# EAGLE board Mk4 Final a Panel score (EAGLE 9.0.1), part 15 of 24
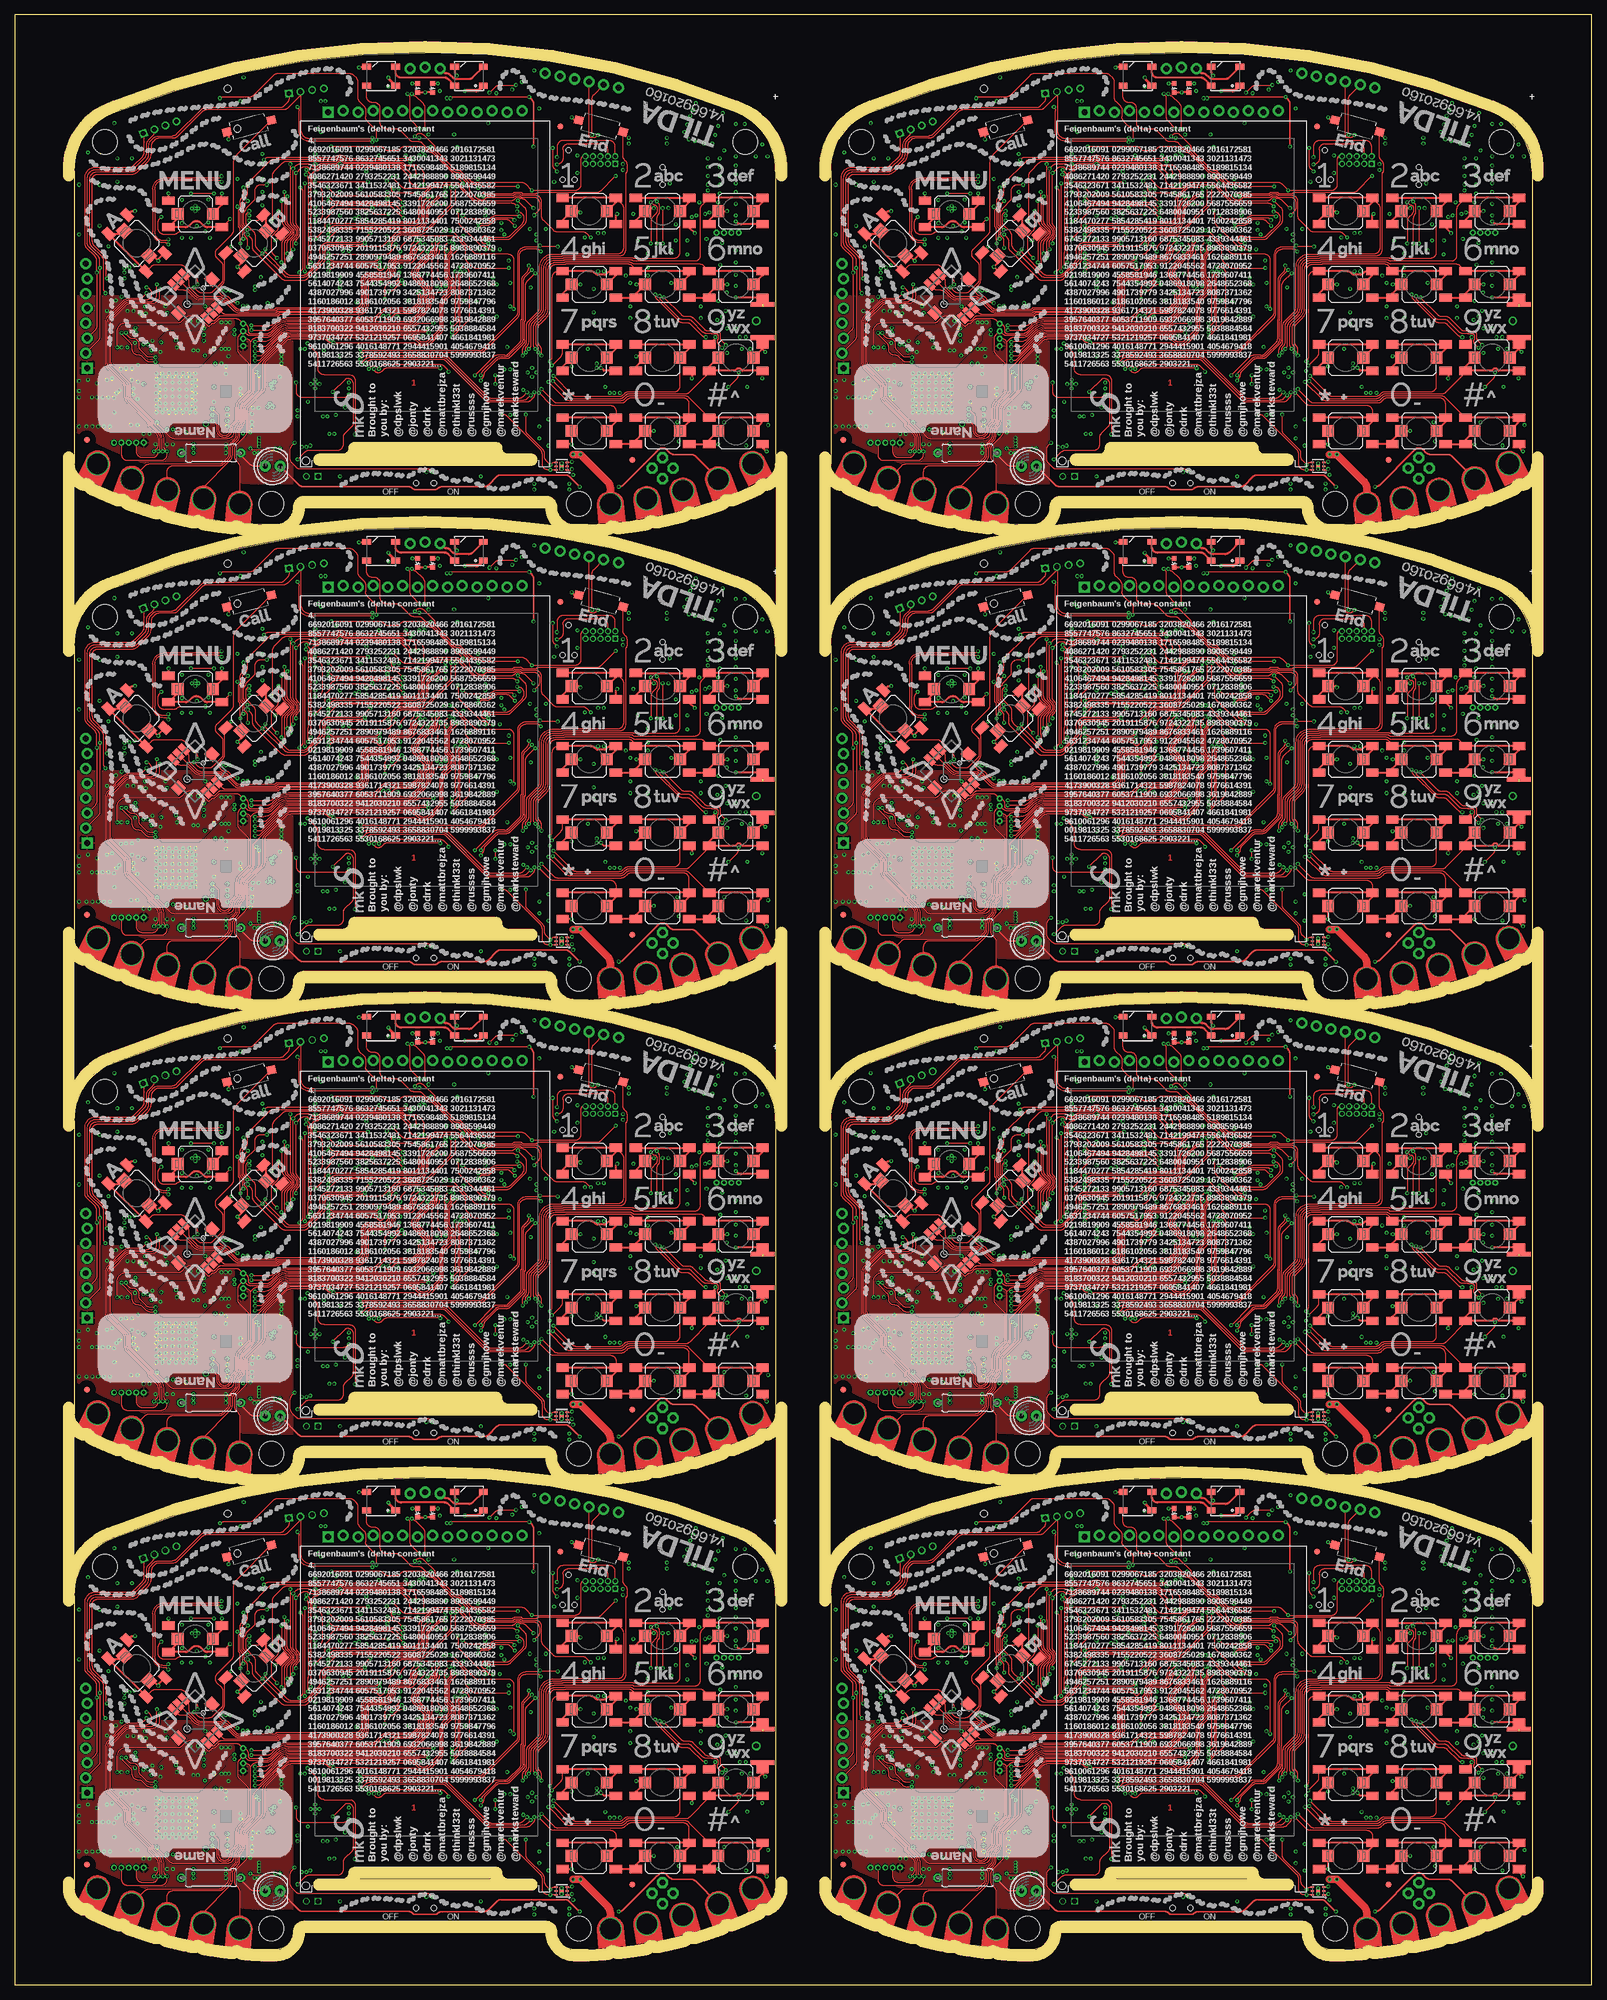
[diagram p0: board, top side]
## Tracks (layer width: path | path; a pad name or v marks a point on that pad's centre or on a via) (continued)
LED5  (via drill 0.3) (continued)
  Bottom 0.15: IC38.86 72.2,148.22 arc90 71.5,148.93 arc-90 71,149.43 71,150.29 arc45 70.71,150.99 70.29,151.41 arc-45 70,152.11 v70,154.5 | R161.2 70.79,160.52 arc-45 70.08,160.22 68.03,160.22 v67.75,160.5
LED5_R
  Top 0.25: R11.1 38.58,17.92 40.21,16.29 arc45 40.91,16 42.5,16 42.58,15.92 42.65,15.92 LED5.A
LED5_R1
  Top 0.25: R95.1 167.58,17.92 169.21,16.29 arc45 169.91,16 171.5,16 171.58,15.92 171.65,15.92 LED11.A
LED5_R2
  Top 0.25: R173.1 38.58,98.92 40.21,97.29 arc45 40.91,97 42.5,97 42.58,96.92 42.65,96.92 LED17.A
LED5_R3
  Top 0.25: R251.1 167.58,98.92 169.21,97.29 arc45 169.91,97 171.5,97 171.58,96.92 171.65,96.92 LED23.A
LED5_R4
  Top 0.25: R329.1 38.58,179.92 40.21,178.29 arc45 40.91,178 42.5,178 42.58,177.92 42.65,177.92 LED29.A
LED5_R5
  Top 0.25: R407.1 167.58,179.92 169.21,178.29 arc45 169.91,178 171.5,178 171.58,177.92 171.65,177.92 LED35.A
LED5_R6
  Top 0.25: R485.1 38.58,260.92 40.21,259.29 arc45 40.91,259 42.5,259 42.58,258.92 42.65,258.92 LED41.A
LED5_R7
  Top 0.25: R563.1 167.58,260.92 169.21,259.29 arc45 169.91,259 171.5,259 171.58,258.92 171.65,258.92 LED47.A
LED6  (via drill 0.3)
  Top 0.15: v69,154.55 67.75,155.8 arc-45 67.46,156.5 67.46,160.04 v67,160.5
  Bottom 0.15: IC38.85 71.8,148.32 arc90 71.5,148.62 71.2,148.62 arc-90 70.7,149.12 70.7,150.14 arc45 70.41,150.84 69.99,151.26 arc-45 69.7,151.96 69.7,153.14 arc45 69.41,153.84 69.21,154.04 arc-45 v69,154.55 | R162.2 67.99,161 67.97,161.03 67.73,161.03 arc45 67.38,160.88 v67,160.5
LED7  (via drill 0.3)
  Top 0.15: v199,154.5 199,158.09 arc45 198.71,158.79 197.38,160.12 197.24,160.12 196.86,160.5 v196.75,160.5
  Bottom 0.15: IC56.86 201.2,148.22 arc90 200.5,148.93 arc-90 200,149.43 200,150.29 arc45 199.71,150.99 199.29,151.41 arc-45 199,152.11 v199,154.5 | R239.2 199.79,160.52 arc-45 199.08,160.22 197.03,160.22 v196.75,160.5
LED8  (via drill 0.3)
  Top 0.15: v198,154.55 196.75,155.8 arc-45 196.46,156.5 196.46,160.04 v196,160.5
  Bottom 0.15: IC56.85 200.8,148.32 arc90 200.5,148.62 200.2,148.62 arc-90 199.7,149.12 199.7,150.14 arc45 199.41,150.84 198.99,151.26 arc-45 198.7,151.96 198.7,153.14 arc45 198.41,153.84 198.21,154.04 arc-45 v198,154.55 | R240.2 196.99,161 196.97,161.03 196.73,161.03 arc45 196.38,160.88 v196,160.5
LED9  (via drill 0.3)
  Top 0.15: v70,235.5 70,239.09 arc45 69.71,239.79 68.38,241.12 68.24,241.12 67.86,241.5 v67.75,241.5
  Bottom 0.15: IC74.86 72.2,229.22 arc90 71.5,229.93 arc-90 71,230.43 71,231.29 arc45 70.71,231.99 70.29,232.41 arc-45 70,233.11 v70,235.5 | R317.2 70.79,241.52 arc-45 70.08,241.22 68.03,241.22 v67.75,241.5
LED10  (via drill 0.3)
  Top 0.15: v69,235.55 67.75,236.8 arc-45 67.46,237.5 67.46,241.04 v67,241.5
  Bottom 0.15: IC74.85 71.8,229.32 arc90 71.5,229.62 71.2,229.62 arc-90 70.7,230.12 70.7,231.14 arc45 70.41,231.84 69.99,232.26 arc-45 69.7,232.96 69.7,234.14 arc45 69.41,234.84 69.21,235.04 arc-45 v69,235.55 | R318.2 67.99,242 67.97,242.03 67.73,242.03 arc45 67.38,241.88 v67,241.5
LED11  (via drill 0.3)
  Top 0.15: v199,235.5 199,239.09 arc45 198.71,239.79 197.38,241.12 197.24,241.12 196.86,241.5 v196.75,241.5
  Bottom 0.15: IC92.86 201.2,229.22 arc90 200.5,229.93 arc-90 200,230.43 200,231.29 arc45 199.71,231.99 199.29,232.41 arc-45 199,233.11 v199,235.5 | R395.2 199.79,241.52 arc-45 199.08,241.22 197.03,241.22 v196.75,241.5
LED12  (via drill 0.3)
  Top 0.15: v198,235.55 196.75,236.8 arc-45 196.46,237.5 196.46,241.04 v196,241.5
  Bottom 0.15: IC92.85 200.8,229.32 arc90 200.5,229.62 200.2,229.62 arc-90 199.7,230.12 199.7,231.14 arc45 199.41,231.84 198.99,232.26 arc-45 198.7,232.96 198.7,234.14 arc45 198.41,234.84 198.21,235.04 arc-45 v198,235.55 | R396.2 196.99,242 196.97,242.03 196.73,242.03 arc45 196.38,241.88 v196,241.5
LED13  (via drill 0.3)
  Top 0.15: v70,316.5 70,320.09 arc45 69.71,320.79 68.38,322.12 68.24,322.12 67.86,322.5 v67.75,322.5
  Bottom 0.15: IC110.86 72.2,310.23 arc90 71.5,310.93 arc-90 71,311.43 71,312.29 arc45 70.71,312.99 70.29,313.41 arc-45 70,314.11 v70,316.5 | R473.2 70.79,322.52 arc-45 70.08,322.23 68.03,322.23 v67.75,322.5
LED14  (via drill 0.3)
  Top 0.15: v69,316.55 67.75,317.8 arc-45 67.46,318.5 67.46,322.04 v67,322.5
  Bottom 0.15: IC110.85 71.8,310.32 arc90 71.5,310.62 71.2,310.62 arc-90 70.7,311.12 70.7,312.14 arc45 70.41,312.84 69.99,313.26 arc-45 69.7,313.96 69.7,315.14 arc45 69.41,315.84 69.21,316.04 arc-45 v69,316.55 | R474.2 67.99,323 67.97,323.02 67.73,323.02 arc45 67.38,322.88 v67,322.5
LED15  (via drill 0.3)
  Top 0.15: v199,316.5 199,320.09 arc45 198.71,320.79 197.38,322.12 197.24,322.12 196.86,322.5 v196.75,322.5
  Bottom 0.15: IC128.86 201.2,310.23 arc90 200.5,310.93 arc-90 200,311.43 200,312.29 arc45 199.71,312.99 199.29,313.41 arc-45 199,314.11 v199,316.5 | R551.2 199.79,322.52 arc-45 199.08,322.23 197.03,322.23 v196.75,322.5
LED16  (via drill 0.3)
  Top 0.15: v198,316.55 196.75,317.8 arc-45 196.46,318.5 196.46,322.04 v196,322.5
  Bottom 0.15: IC128.85 200.8,310.32 arc90 200.5,310.62 200.2,310.62 arc-90 199.7,311.12 199.7,312.14 arc45 199.41,312.84 198.99,313.26 arc-45 198.7,313.96 198.7,315.14 arc45 198.41,315.84 198.21,316.04 arc-45 v198,316.55 | R552.2 196.99,323 196.97,323.02 196.73,323.02 arc45 196.38,322.88 v196,322.5
LEDK
  pour Bottom (no thermals): 79.3,45.7 79.3,45.3 82.6,45.3 82.7,45.3 83.35,44.65 83.55,44.65 85.55,44.65 85.55,45.5 82.9,45.5 82.7,45.7
LEDK1
  Bottom 0.25: J2.2 81.75,43.34 arc-45 82.04,44.04 R47.2
LEDK2
  Bottom 0.25: J2.3 81.25,43.9 arc-45 R48.2
LEDK3
  Bottom 0.25: J2.4 80.75,43.9 arc45 R49.2
LEDK4
  Bottom 0.25: J2.5 80.25,43.34 arc45 79.96,44.04 R44.2
LEDK5
  Bottom 0.25: J6.2 210.75,43.34 arc-45 211.04,44.04 R79.2
LEDK6
  Bottom 0.25: J6.3 210.25,43.9 arc-45 R80.2
LEDK7
  Bottom 0.25: J6.4 209.75,43.9 arc45 R81.2
LEDK8
  Bottom 0.25: J6.5 209.25,43.34 arc45 208.96,44.04 R82.2
LEDK9
  pour Bottom (no thermals): 208.3,45.7 208.3,45.3 211.7,45.3 212.35,44.65 214.55,44.65 214.55,45.5 211.9,45.5 211.7,45.7
LEDK10
  Bottom 0.25: J21.2 81.75,124.34 arc-45 82.04,125.04 R157.2
LEDK11
  Bottom 0.25: J21.3 81.25,124.9 arc-45 R158.2
LEDK12
  Bottom 0.25: J21.4 80.75,124.9 arc45 R159.2
LEDK13
  Bottom 0.25: J21.5 80.25,124.34 arc45 79.96,125.04 R160.2
LEDK14
  pour Bottom (no thermals): 79.3,126.7 79.3,126.3 82.6,126.3 82.7,126.3 83.35,125.65 83.55,125.65 85.55,125.65 85.55,126.5 82.9,126.5 82.7,126.7
LEDK15
  Bottom 0.25: J31.2 210.75,124.34 arc-45 211.04,125.04 R235.2
LEDK16
  Bottom 0.25: J31.3 210.25,124.9 arc-45 R236.2
LEDK17
  Bottom 0.25: J31.4 209.75,124.9 arc45 R237.2
LEDK18
  Bottom 0.25: J31.5 209.25,124.34 arc45 208.96,125.04 R238.2
LEDK19
  pour Bottom (no thermals): 208.3,126.7 208.3,126.3 211.7,126.3 212.35,125.65 214.55,125.65 214.55,126.5 211.9,126.5 211.7,126.7
LEDK20
  Bottom 0.25: J41.2 81.75,205.34 arc-45 82.04,206.04 R313.2
LEDK21
  Bottom 0.25: J41.3 81.25,205.9 arc-45 R314.2
LEDK22
  Bottom 0.25: J41.4 80.75,205.9 arc45 R315.2
LEDK23
  Bottom 0.25: J41.5 80.25,205.34 arc45 79.96,206.04 R316.2
LEDK24
  pour Bottom (no thermals): 79.3,207.7 79.3,207.3 82.6,207.3 82.7,207.3 83.35,206.65 83.55,206.65 85.55,206.65 85.55,207.5 82.9,207.5 82.7,207.7
LEDK25
  Bottom 0.25: J51.2 210.75,205.34 arc-45 211.04,206.04 R391.2
LEDK26
  Bottom 0.25: J51.3 210.25,205.9 arc-45 R392.2
LEDK27
  Bottom 0.25: J51.4 209.75,205.9 arc45 R393.2
LEDK28
  Bottom 0.25: J51.5 209.25,205.34 arc45 208.96,206.04 R394.2
LEDK29
  pour Bottom (no thermals): 208.3,207.7 208.3,207.3 211.7,207.3 212.35,206.65 214.55,206.65 214.55,207.5 211.9,207.5 211.7,207.7
LEDK30
  Bottom 0.25: J61.2 81.75,286.34 arc-45 82.04,287.04 R469.2
LEDK31
  Bottom 0.25: J61.3 81.25,286.9 arc-45 R470.2
LEDK32
  Bottom 0.25: J61.4 80.75,286.9 arc45 R471.2
LEDK33
  Bottom 0.25: J61.5 80.25,286.34 arc45 79.96,287.04 R472.2
LEDK34
  pour Bottom (no thermals): 79.3,288.7 79.3,288.3 82.6,288.3 82.7,288.3 83.35,287.65 83.55,287.65 85.55,287.65 85.55,288.5 82.9,288.5 82.7,288.7
LEDK35
  Bottom 0.25: J71.2 210.75,286.34 arc-45 211.04,287.04 R547.2
LEDK36
  Bottom 0.25: J71.3 210.25,286.9 arc-45 R548.2
LEDK37
  Bottom 0.25: J71.4 209.75,286.9 arc45 R549.2
LEDK38
  Bottom 0.25: J71.5 209.25,286.34 arc45 208.96,287.04 R550.2
LEDK39
  pour Bottom (no thermals): 208.3,288.7 208.3,288.3 211.7,288.3 212.35,287.65 214.55,287.65 214.55,288.5 211.9,288.5 211.7,288.7
MIC_MUX_N
  Bottom 0.2: IC12.11 101,64.5 100.79,64.71 arc45 100.09,65 99.46,65 arc90 98.46,64 IC12.9 98.46,61.5 arc90 99.46,60.5 100.65,60.5 arc-90 101.65,59.5 101.65,56.22 101.58,56.15 101.58,55.3 101.58,55.2 101.58,55.18 101.58,54.85 arc90 102.6,53.83 103.3,53.83 arc-90 104.03,53.1 104.03,50.7 arc-90 103.75,50.42 103.33,50.85 IC5.10
MIC_MUX_N1
  Bottom 0.2: IC27.11 230,64.5 229.79,64.71 arc45 229.09,65 228.46,65 arc90 227.46,64 IC27.9 227.46,61.5 arc90 228.46,60.5 229.65,60.5 arc-90 230.65,59.5 230.65,56.22 230.57,56.15 230.57,55.3 230.57,55.2 230.57,55.18 230.57,54.85 arc90 231.6,53.83 232.3,53.83 arc-90 233.03,53.1 233.03,50.7 arc-90 232.75,50.42 232.32,50.85 IC21.10
MIC_MUX_N2
  Bottom 0.2: IC45.11 101,145.5 100.79,145.71 arc45 100.09,146 99.46,146 arc90 98.46,145 IC45.9 98.46,142.5 arc90 99.46,141.5 100.65,141.5 arc-90 101.65,140.5 101.65,137.22 101.58,137.15 101.58,136.3 101.58,136.2 101.58,136.18 101.58,135.85 arc90 102.6,134.82 103.3,134.82 arc-90 104.03,134.1 104.03,131.7 arc-90 103.75,131.43 103.33,131.85 IC39.10
MIC_MUX_N3
  Bottom 0.2: IC63.11 230,145.5 229.79,145.71 arc45 229.09,146 228.46,146 arc90 227.46,145 IC63.9 227.46,142.5 arc90 228.46,141.5 229.65,141.5 arc-90 230.65,140.5 230.65,137.22 230.57,137.15 230.57,136.3 230.57,136.2 230.57,136.18 230.57,135.85 arc90 231.6,134.82 232.3,134.82 arc-90 233.03,134.1 233.03,131.7 arc-90 232.75,131.43 232.32,131.85 IC57.10
MIC_MUX_N4
  Bottom 0.2: IC81.11 101,226.5 100.79,226.71 arc45 100.09,227 99.46,227 arc90 98.46,226 IC81.9 98.46,223.5 arc90 99.46,222.5 100.65,222.5 arc-90 101.65,221.5 101.65,218.22 101.58,218.15 101.58,217.3 101.58,217.2 101.58,217.18 101.58,216.85 arc90 102.6,215.82 103.3,215.82 arc-90 104.03,215.1 104.03,212.7 arc-90 103.75,212.43 103.33,212.85 IC75.10
MIC_MUX_N5
  Bottom 0.2: IC99.11 230,226.5 229.79,226.71 arc45 229.09,227 228.46,227 arc90 227.46,226 IC99.9 227.46,223.5 arc90 228.46,222.5 229.65,222.5 arc-90 230.65,221.5 230.65,218.22 230.57,218.15 230.57,217.3 230.57,217.2 230.57,217.18 230.57,216.85 arc90 231.6,215.82 232.3,215.82 arc-90 233.03,215.1 233.03,212.7 arc-90 232.75,212.43 232.32,212.85 IC93.10
MIC_MUX_N6
  Bottom 0.2: IC117.11 101,307.5 100.79,307.71 arc45 100.09,308 99.46,308 arc90 98.46,307 IC117.9 98.46,304.5 arc90 99.46,303.5 100.65,303.5 arc-90 101.65,302.5 101.65,299.22 101.58,299.14 101.58,298.3 101.58,298.2 101.58,298.18 101.58,297.85 arc90 102.6,296.82 103.3,296.82 arc-90 104.03,296.1 104.03,293.7 arc-90 103.75,293.43 103.33,293.85 IC111.10
MIC_MUX_N7
  Bottom 0.2: IC135.11 230,307.5 229.79,307.71 arc45 229.09,308 228.46,308 arc90 227.46,307 IC135.9 227.46,304.5 arc90 228.46,303.5 229.65,303.5 arc-90 230.65,302.5 230.65,299.22 230.57,299.14 230.57,298.3 230.57,298.2 230.57,298.18 230.57,297.85 arc90 231.6,296.82 232.3,296.82 arc-90 233.03,296.1 233.03,293.7 arc-90 232.75,293.43 232.32,293.85 IC129.10
MIC_MUX_P
  Bottom 0.2: IC12.1 104.81,57 arc-90 103.81,56 103.27,56 arc-90 102.27,57 IC12.3 102.27,56.34 102.22,56.29 arc45 101.92,55.59 101.92,55.3 101.92,54.85 arc90 102.6,54.17 103.3,54.17 arc-90 104.38,53.1 104.38,50.7 arc-90 103.75,50.08 103.42,49.75 IC5.9
MIC_MUX_P1
  Bottom 0.2: IC27.1 233.81,57 arc-90 232.81,56 232.27,56 arc-90 231.27,57 IC27.3 231.27,56.34 231.22,56.29 arc45 230.93,55.59 230.93,55.3 230.93,54.85 arc90 231.6,54.17 232.3,54.17 arc-90 233.38,53.1 233.38,50.7 arc-90 232.75,50.08 232.43,49.75 IC21.9
MIC_MUX_P2
  Bottom 0.2: IC45.1 104.81,138 arc-90 103.81,137 103.27,137 arc-90 102.27,138 IC45.3 102.27,137.34 102.22,137.29 arc45 101.92,136.59 101.92,136.3 101.92,135.85 arc90 102.6,135.18 103.3,135.18 arc-90 104.38,134.1 104.38,131.7 arc-90 103.75,131.07 103.42,130.75 IC39.9
MIC_MUX_P3
  Bottom 0.2: IC63.1 233.81,138 arc-90 232.81,137 232.27,137 arc-90 231.27,138 IC63.3 231.27,137.34 231.22,137.29 arc45 230.93,136.59 230.93,136.3 230.93,135.85 arc90 231.6,135.18 232.3,135.18 arc-90 233.38,134.1 233.38,131.7 arc-90 232.75,131.07 232.43,130.75 IC57.9
MIC_MUX_P4
  Bottom 0.2: IC81.1 104.81,219 arc-90 103.81,218 103.27,218 arc-90 102.27,219 IC81.3 102.27,218.34 102.22,218.29 arc45 101.92,217.59 101.92,217.3 101.92,216.85 arc90 102.6,216.18 103.3,216.18 arc-90 104.38,215.1 104.38,212.7 arc-90 103.75,212.07 103.42,211.75 IC75.9
MIC_MUX_P5
  Bottom 0.2: IC99.1 233.81,219 arc-90 232.81,218 232.27,218 arc-90 231.27,219 IC99.3 231.27,218.34 231.22,218.29 arc45 230.93,217.59 230.93,217.3 230.93,216.85 arc90 231.6,216.18 232.3,216.18 arc-90 233.38,215.1 233.38,212.7 arc-90 232.75,212.07 232.43,211.75 IC93.9
MIC_MUX_P6
  Bottom 0.2: IC117.1 104.81,300 arc-90 103.81,299 103.27,299 arc-90 102.27,300 IC117.3 102.27,299.35 102.22,299.29 arc45 101.92,298.59 101.92,298.3 101.92,297.85 arc90 102.6,297.18 103.3,297.18 arc-90 104.38,296.1 104.38,293.7 arc-90 103.75,293.07 103.42,292.75 IC111.9
MIC_MUX_P7
  Bottom 0.2: IC135.1 233.81,300 arc-90 232.81,299 232.27,299 arc-90 231.27,300 IC135.3 231.27,299.35 231.22,299.29 arc45 230.93,298.59 230.93,298.3 230.93,297.85 arc90 231.6,297.18 232.3,297.18 arc-90 233.38,296.1 233.38,293.7 arc-90 232.75,293.07 232.43,292.75 IC129.9
MIC_N
  Bottom 0.2: C56.2 C53.1 | C52.2 C55.1 | C52.2 C56.2 | U4.- 106.03,75.25 106.6,75.83 107.33,75.83 arc-90 107.83,75.33 107.83,72.33 C52.2 | C56.2 107.83,70.67 107.83,70.21 arc-45 107.68,69.85 107.67,69.85 arc45 107.53,69.49 S22.6
MIC_N1
  Bottom 0.2: C163.2 C160.1 | C159.2 C162.1 | C159.2 C163.2 | U3.- 235.03,75.25 235.6,75.83 236.32,75.83 arc-90 236.82,75.33 236.82,72.33 C159.2 | C163.2 236.82,70.67 236.82,70.21 arc-45 236.68,69.85 236.67,69.85 arc45 236.53,69.49 S42.6
MIC_N2
  Bottom 0.2: C271.2 C268.1 | C267.2 C270.1 | C267.2 C271.2 | U8.- 106.03,156.25 106.6,156.82 107.33,156.82 arc-90 107.83,156.32 107.83,153.32 C267.2 | C271.2 107.83,151.68 107.83,151.21 arc-45 107.68,150.85 107.67,150.85 arc45 107.53,150.49 S63.6
MIC_N3
  Bottom 0.2: C379.2 C376.1 | C375.2 C378.1 | C375.2 C379.2 | U11.- 235.03,156.25 235.6,156.82 236.32,156.82 arc-90 236.82,156.32 236.82,153.32 C375.2 | C379.2 236.82,151.68 236.82,151.21 arc-45 236.68,150.85 236.67,150.85 arc45 236.53,150.49 S84.6
MIC_N4
  Bottom 0.2: C487.2 C484.1 | C483.2 C486.1 | C483.2 C487.2 | U14.- 106.03,237.25 106.6,237.82 107.33,237.82 arc-90 107.83,237.32 107.83,234.32 C483.2 | C487.2 107.83,232.68 107.83,232.21 arc-45 107.68,231.85 107.67,231.85 arc45 107.53,231.49 S105.6
MIC_N5
  Bottom 0.2: C595.2 C592.1 | C591.2 C594.1 | C591.2 C595.2 | U17.- 235.03,237.25 235.6,237.82 236.32,237.82 arc-90 236.82,237.32 236.82,234.32 C591.2 | C595.2 236.82,232.68 236.82,232.21 arc-45 236.68,231.85 236.67,231.85 arc45 236.53,231.49 S126.6
MIC_N6
  Bottom 0.2: C703.2 C700.1 | C699.2 C702.1 | C699.2 C703.2 | U20.- 106.03,318.25 106.6,318.82 107.33,318.82 arc-90 107.83,318.32 107.83,315.32 C699.2 | C703.2 107.83,313.68 107.83,313.21 arc-45 107.68,312.85 107.67,312.85 arc45 107.53,312.49 S147.6
MIC_N7
  Bottom 0.2: C811.2 C808.1 | C807.2 C810.1 | C807.2 C811.2 | U23.- 235.03,318.25 235.6,318.82 236.32,318.82 arc-90 236.82,318.32 236.82,315.32 C807.2 | C811.2 236.82,313.68 236.82,313.21 arc-45 236.68,312.85 236.67,312.85 arc45 236.53,312.49 S168.6
MIC_P
  Bottom 0.2: C52.1 C54.1 | C56.1 C57.1 | C52.1 C56.1 | U4.+ 106.03,76.75 106.6,76.17 107.42,76.17 arc-90 108.17,75.42 108.17,72.35 108.5,72.03 C52.1 | C56.1 108.17,70.67 108.17,70.21 arc45 108.32,69.85 110.03,68.15 arc45 110.38,68 S22.3
MIC_P1
  Bottom 0.2: C159.1 C161.1 | C163.1 C164.1 | C159.1 C163.1 | U3.+ 235.03,76.75 235.6,76.17 236.43,76.17 arc-90 237.18,75.42 237.18,72.35 237.5,72.03 C159.1 | C163.1 237.18,70.67 237.18,70.21 arc45 237.32,69.85 239.03,68.15 arc45 239.38,68 S42.3
MIC_P2
  Bottom 0.2: C267.1 C269.1 | C271.1 C272.1 | C267.1 C271.1 | U8.+ 106.03,157.75 106.6,157.18 107.42,157.18 arc-90 108.17,156.43 108.17,153.35 108.5,153.03 C267.1 | C271.1 108.17,151.68 108.17,151.21 arc45 108.32,150.85 110.03,149.15 arc45 110.38,149 S63.3
MIC_P3
  Bottom 0.2: C375.1 C377.1 | C379.1 C380.1 | C375.1 C379.1 | U11.+ 235.03,157.75 235.6,157.18 236.43,157.18 arc-90 237.18,156.43 237.18,153.35 237.5,153.03 C375.1 | C379.1 237.18,151.68 237.18,151.21 arc45 237.32,150.85 239.03,149.15 arc45 239.38,149 S84.3
MIC_P4
  Bottom 0.2: C483.1 C485.1 | C487.1 C488.1 | C483.1 C487.1 | U14.+ 106.03,238.75 106.6,238.18 107.42,238.18 arc-90 108.17,237.43 108.17,234.35 108.5,234.03 C483.1 | C487.1 108.17,232.68 108.17,232.21 arc45 108.32,231.85 110.03,230.15 arc45 110.38,230 S105.3
MIC_P5
  Bottom 0.2: C591.1 C593.1 | C595.1 C596.1 | C591.1 C595.1 | U17.+ 235.03,238.75 235.6,238.18 236.43,238.18 arc-90 237.18,237.43 237.18,234.35 237.5,234.03 C591.1 | C595.1 237.18,232.68 237.18,232.21 arc45 237.32,231.85 239.03,230.15 arc45 239.38,230 S126.3
MIC_P6
  Bottom 0.2: C699.1 C701.1 | C703.1 C704.1 | C699.1 C703.1 | U20.+ 106.03,319.75 106.6,319.18 107.42,319.18 arc-90 108.17,318.43 108.17,315.35 108.5,315.02 C699.1 | C703.1 108.17,313.68 108.17,313.21 arc45 108.32,312.85 110.03,311.15 arc45 110.38,311 S147.3
MIC_P7
  Bottom 0.2: C807.1 C809.1 | C811.1 C812.1 | C807.1 C811.1 | U23.+ 235.03,319.75 235.6,319.18 236.43,319.18 arc-90 237.18,318.43 237.18,315.35 237.5,315.02 C807.1 | C811.1 237.18,313.68 237.18,313.21 arc45 237.32,312.85 239.03,311.15 arc45 239.38,311 S168.3
MIC_PWM_AMP
  Bottom 0.15: C79.1 90.03,63.73 IC11.1 | IC11.2 90.67,61.23 90.9,61
  Bottom 0.2: C81.2 C80.2 90.9,61 | IC11.1 IC11.2
MIC_PWM_AMP1
  Bottom 0.15: C180.1 219.03,63.73 IC26.1 | IC26.2 219.68,61.23 219.9,61
  Bottom 0.2: C182.2 C181.2 219.9,61 | IC26.1 IC26.2
MIC_PWM_AMP2
  Bottom 0.15: C288.1 90.03,144.72 IC44.1 | IC44.2 90.67,142.22 90.9,142
  Bottom 0.2: C290.2 C289.2 90.9,142 | IC44.1 IC44.2
MIC_PWM_AMP3
  Bottom 0.15: C396.1 219.03,144.72 IC62.1 | IC62.2 219.68,142.22 219.9,142
  Bottom 0.2: C398.2 C397.2 219.9,142 | IC62.1 IC62.2
MIC_PWM_AMP4
  Bottom 0.15: C504.1 90.03,225.72 IC80.1 | IC80.2 90.67,223.22 90.9,223
  Bottom 0.2: C506.2 C505.2 90.9,223 | IC80.1 IC80.2
MIC_PWM_AMP5
  Bottom 0.15: C612.1 219.03,225.72 IC98.1 | IC98.2 219.68,223.22 219.9,223
  Bottom 0.2: C614.2 C613.2 219.9,223 | IC98.1 IC98.2
MIC_PWM_AMP6
  Bottom 0.15: C720.1 90.03,306.73 IC116.1 | IC116.2 90.67,304.23 90.9,304
  Bottom 0.2: C722.2 C721.2 90.9,304 | IC116.1 IC116.2
MIC_PWM_AMP7
  Bottom 0.15: C828.1 219.03,306.73 IC134.1 | IC134.2 219.68,304.23 219.9,304
  Bottom 0.2: C830.2 C829.2 219.9,304 | IC134.1 IC134.2
MIC_PWM_AMP_+
  Bottom 0.15: IC11.3 91.33,63.22 arc45 91.18,63.57 C78.2
  Bottom 0.2: C78.2 R52.2
MIC_PWM_AMP_+1
  Bottom 0.15: IC26.3 220.32,63.22 arc45 220.18,63.57 C179.2
  Bottom 0.2: C179.2 R130.2
MIC_PWM_AMP_+2
  Bottom 0.15: IC44.3 91.33,144.22 arc45 91.18,144.57 C287.2
  Bottom 0.2: C287.2 R208.2
MIC_PWM_AMP_+3
  Bottom 0.15: IC62.3 220.32,144.22 arc45 220.18,144.57 C395.2
  Bottom 0.2: C395.2 R286.2
MIC_PWM_AMP_+4
  Bottom 0.15: IC80.3 91.33,225.22 arc45 91.18,225.57 C503.2
  Bottom 0.2: C503.2 R364.2
MIC_PWM_AMP_+5
  Bottom 0.15: IC98.3 220.32,225.22 arc45 220.18,225.57 C611.2
  Bottom 0.2: C611.2 R442.2
MIC_PWM_AMP_+6
  Bottom 0.15: IC116.3 91.33,306.22 arc45 91.18,306.57 C719.2
  Bottom 0.2: C719.2 R520.2
MIC_PWM_AMP_+7
  Bottom 0.15: IC134.3 220.32,306.22 arc45 220.18,306.57 C827.2
  Bottom 0.2: C827.2 R598.2
MIC_PWM_N
  Bottom 0.2: IC12.8 97.19,62 arc-90 96.19,61 R54.1 C80.1
MIC_PWM_N1
  Bottom 0.2: IC27.8 226.19,62 arc-90 225.19,61 R132.1 C181.1
MIC_PWM_N2
  Bottom 0.2: IC45.8 97.19,143 arc-90 96.19,142 R210.1 C289.1
MIC_PWM_N3
  Bottom 0.2: IC63.8 226.19,143 arc-90 225.19,142 R288.1 C397.1
MIC_PWM_N4
  Bottom 0.2: IC81.8 97.19,224 arc-90 96.19,223 R366.1 C505.1
MIC_PWM_N5
  Bottom 0.2: IC99.8 226.19,224 arc-90 225.19,223 R444.1 C613.1
MIC_PWM_N6
  Bottom 0.2: IC117.8 97.19,305 arc-90 96.19,304 R522.1 C721.1
MIC_PWM_N7
  Bottom 0.2: IC135.8 226.19,305 arc-90 225.19,304 R600.1 C829.1
MIC_PWM_P
  Bottom 0.2: IC12.4 101,59 arc90 100,60 R54.2 C81.1
MIC_PWM_P1
  Bottom 0.2: IC27.4 230,59 arc90 229,60 R132.2 C182.1
MIC_PWM_P2
  Bottom 0.2: IC45.4 101,140 arc90 100,141 R210.2 C290.1
MIC_PWM_P3
  Bottom 0.2: IC63.4 230,140 arc90 229,141 R288.2 C398.1
MIC_PWM_P4
  Bottom 0.2: IC81.4 101,221 arc90 100,222 R366.2 C506.1
MIC_PWM_P5
  Bottom 0.2: IC99.4 230,221 arc90 229,222 R444.2 C614.1
MIC_PWM_P6
  Bottom 0.2: IC117.4 101,302 arc90 100,303 R522.2 C722.1
MIC_PWM_P7
  Bottom 0.2: IC135.4 230,302 arc90 229,303 R600.2 C830.1
MIC_PWM_R
  Bottom 0.2: R53.1 C79.2 R52.1
MIC_PWM_R1
  Bottom 0.2: R131.1 C180.2 R130.1
MIC_PWM_R2
  Bottom 0.2: R209.1 C288.2 R208.1
MIC_PWM_R3
  Bottom 0.2: R287.1 C396.2 R286.1
MIC_PWM_R4
  Bottom 0.2: R365.1 C504.2 R364.1
MIC_PWM_R5
  Bottom 0.2: R443.1 C612.2 R442.1
MIC_PWM_R6
  Bottom 0.2: R521.1 C720.2 R520.1
MIC_PWM_R7
  Bottom 0.2: R599.1 C828.2 R598.1
MIC_SWITCHED_N
  Bottom 0.2: IC12.10 99.73,62 arc90 100.73,61 103.67,61 arc-45 103.81,60.94 103.94,60.81 arc45 104.08,60.75 106,60.75 106.08,60.67 106.26,60.67 arc45 106.97,60.97 107.97,61.97 arc-45 108.11,62.02 108.67,62.02 arc45 109.02,62.17 109.18,62.33 arc45 109.33,62.68 109.33,63.97 arc45 109.18,64.32 108,65.5 S22.5
MIC_SWITCHED_N1
  Bottom 0.2: IC27.10 228.73,62 arc90 229.73,61 232.67,61 arc-45 232.81,60.94 232.94,60.81 arc45 233.08,60.75 235,60.75 235.07,60.67 235.26,60.67 arc45 235.97,60.97 236.97,61.97 arc-45 237.11,62.02 237.67,62.02 arc45 238.02,62.17 238.18,62.33 arc45 238.33,62.68 238.33,63.97 arc45 238.18,64.32 237,65.5 S42.5
MIC_SWITCHED_N2
  Bottom 0.2: IC45.10 99.73,143 arc90 100.73,142 103.67,142 arc-45 103.81,141.94 103.94,141.81 arc45 104.08,141.75 106,141.75 106.08,141.68 106.26,141.68 arc45 106.97,141.97 107.97,142.97 arc-45 108.11,143.03 108.67,143.03 arc45 109.02,143.17 109.18,143.33 arc45 109.33,143.68 109.33,144.97 arc45 109.18,145.32 108,146.5 S63.5
MIC_SWITCHED_N3
  Bottom 0.2: IC63.10 228.73,143 arc90 229.73,142 232.67,142 arc-45 232.81,141.94 232.94,141.81 arc45 233.08,141.75 235,141.75 235.07,141.68 235.26,141.68 arc45 235.97,141.97 236.97,142.97 arc-45 237.11,143.03 237.67,143.03 arc45 238.02,143.17 238.18,143.33 arc45 238.33,143.68 238.33,144.97 arc45 238.18,145.32 237,146.5 S84.5
MIC_SWITCHED_N4
  Bottom 0.2: IC81.10 99.73,224 arc90 100.73,223 103.67,223 arc-45 103.81,222.94 103.94,222.81 arc45 104.08,222.75 106,222.75 106.08,222.68 106.26,222.68 arc45 106.97,222.97 107.97,223.97 arc-45 108.11,224.03 108.67,224.03 arc45 109.02,224.17 109.18,224.33 arc45 109.33,224.68 109.33,225.97 arc45 109.18,226.32 108,227.5 S105.5
MIC_SWITCHED_N5
  Bottom 0.2: IC99.10 228.73,224 arc90 229.73,223 232.67,223 arc-45 232.81,222.94 232.94,222.81 arc45 233.08,222.75 235,222.75 235.07,222.68 235.26,222.68 arc45 235.97,222.97 236.97,223.97 arc-45 237.11,224.03 237.67,224.03 arc45 238.02,224.17 238.18,224.33 arc45 238.33,224.68 238.33,225.97 arc45 238.18,226.32 237,227.5 S126.5
MIC_SWITCHED_N6
  Bottom 0.2: IC117.10 99.73,305 arc90 100.73,304 103.67,304 arc-45 103.81,303.94 103.94,303.81 arc45 104.08,303.75 106,303.75 106.08,303.68 106.26,303.68 arc45 106.97,303.97 107.97,304.97 arc-45 108.11,305.02 108.67,305.02 arc45 109.02,305.17 109.18,305.33 arc45 109.33,305.68 109.33,306.97 arc45 109.18,307.32 108,308.5 S147.5
MIC_SWITCHED_N7
  Bottom 0.2: IC135.10 228.73,305 arc90 229.73,304 232.67,304 arc-45 232.81,303.94 232.94,303.81 arc45 233.08,303.75 235,303.75 235.07,303.68 235.26,303.68 arc45 235.97,303.97 236.97,304.97 arc-45 237.11,305.02 237.67,305.02 arc45 238.02,305.17 238.18,305.33 arc45 238.33,305.68 238.33,306.97 arc45 238.18,307.32 237,308.5 S168.5